# Allegro board balenaFin-PCB.brd (continued)
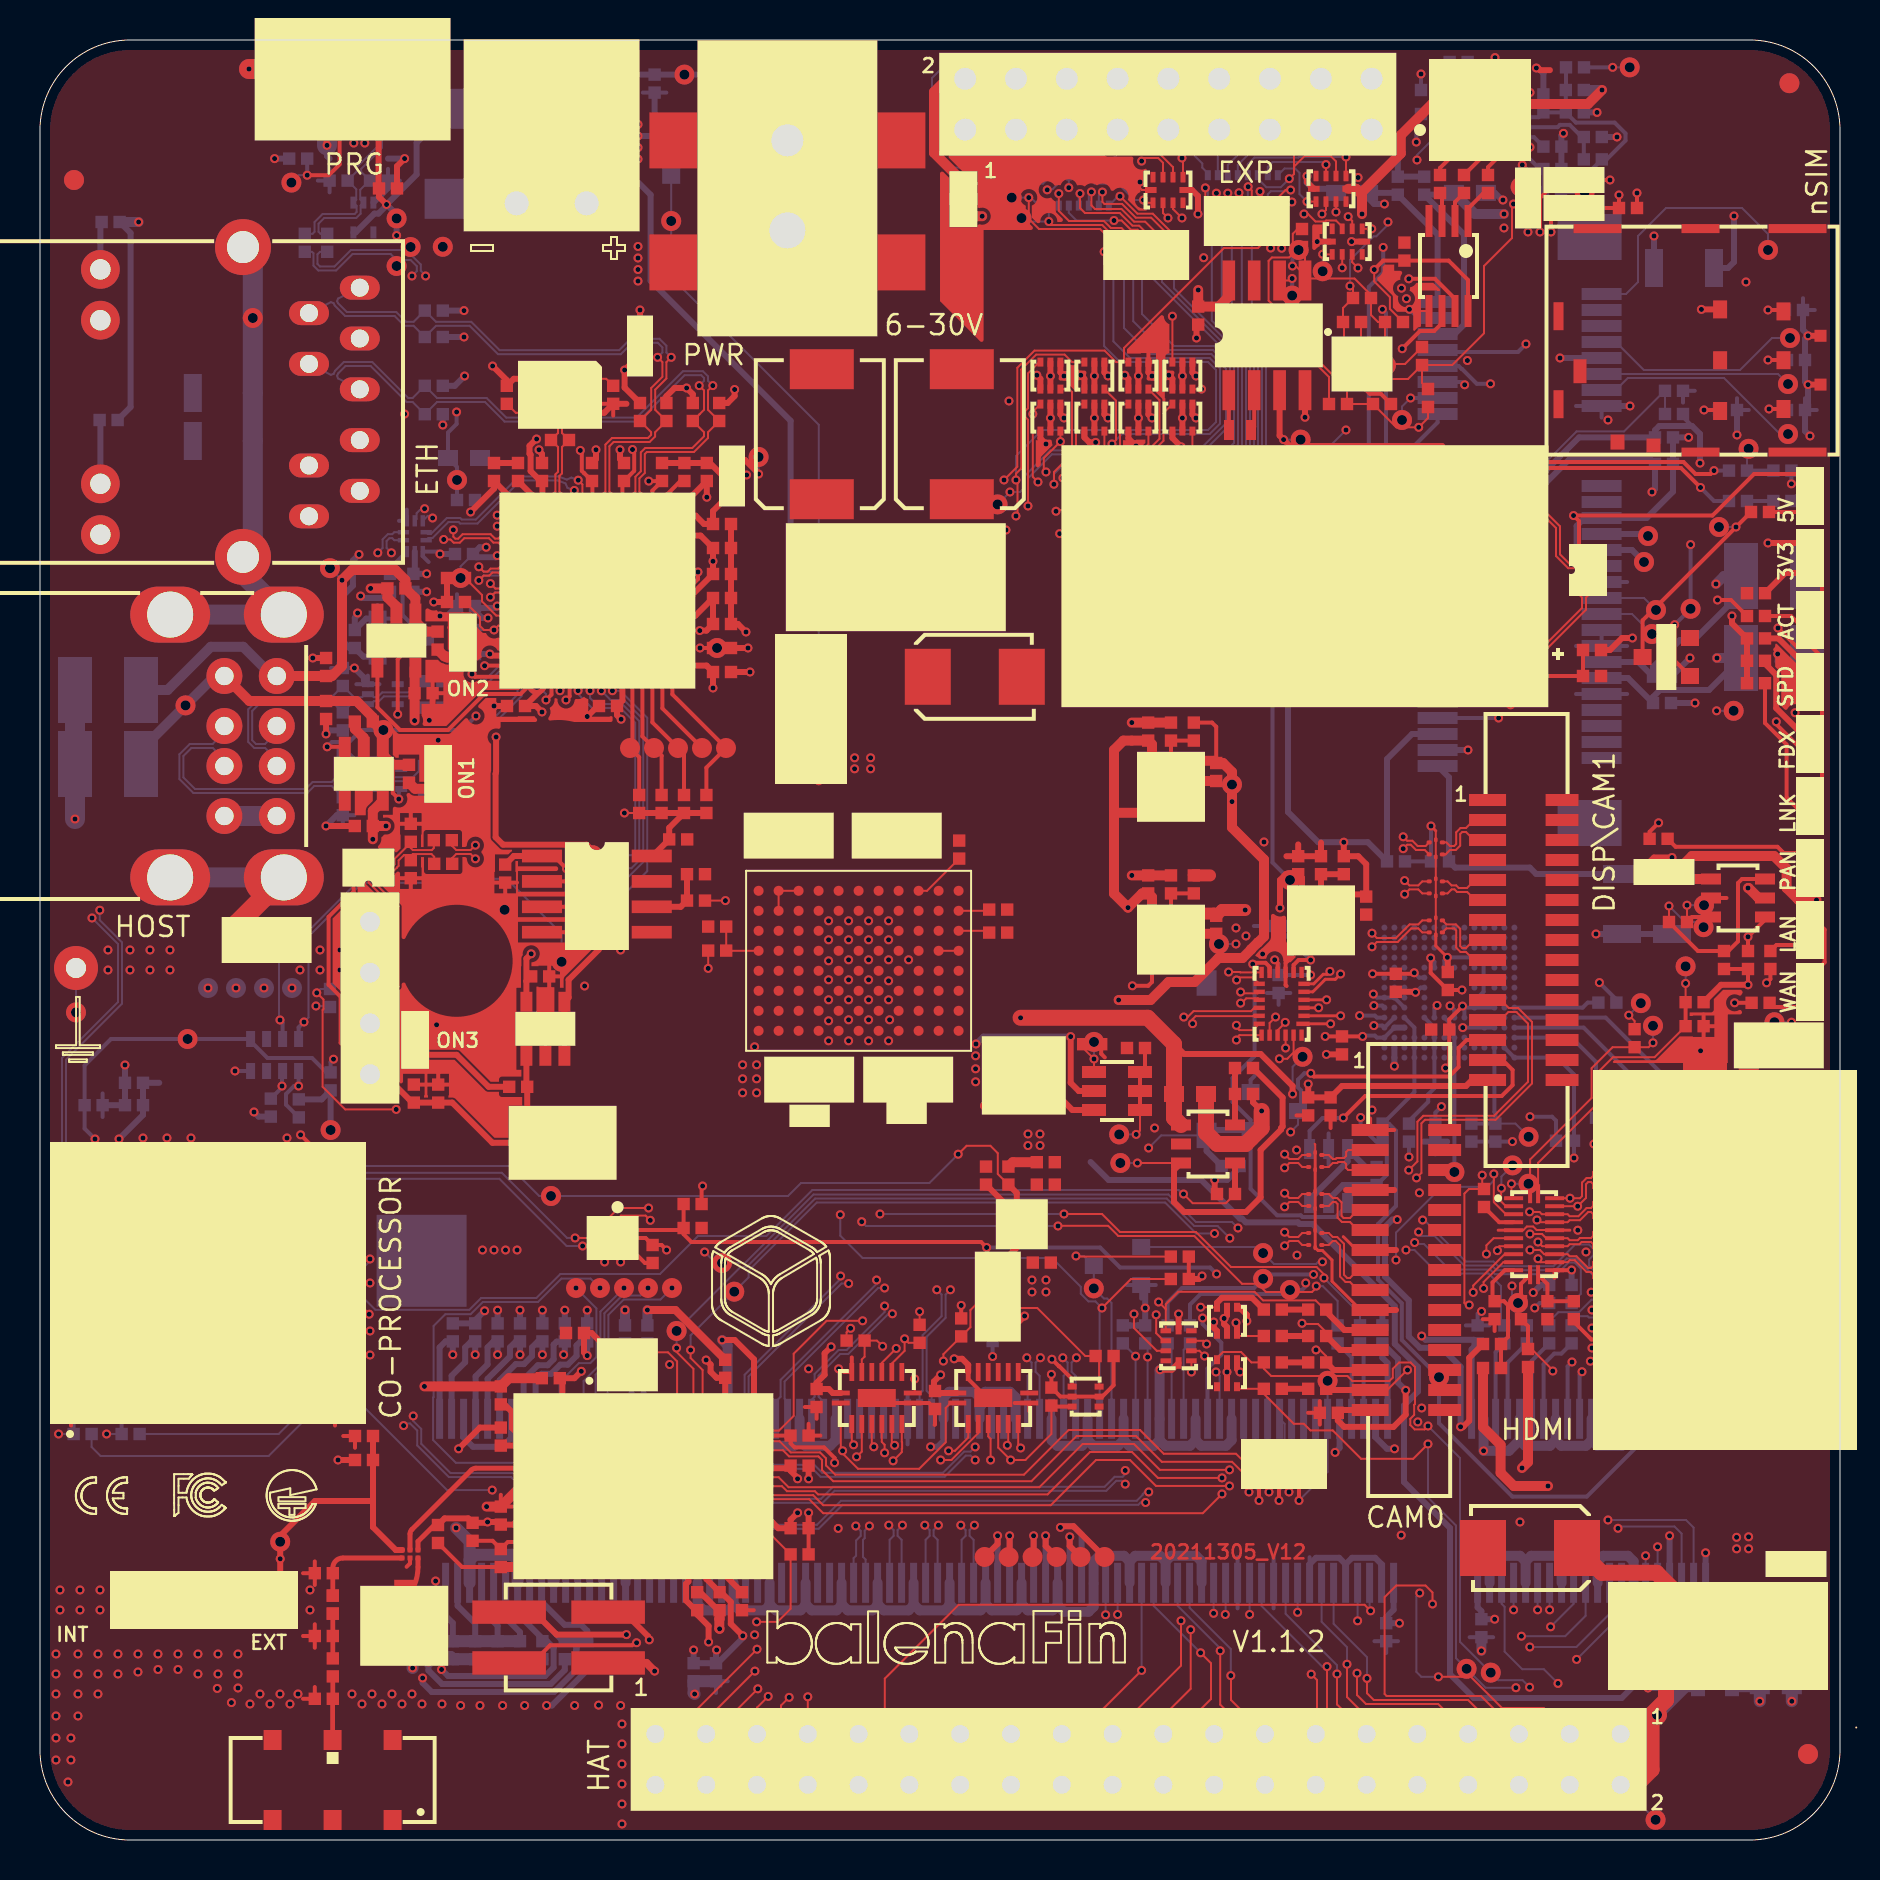
[diagram p0: board, top side]
## Routing (per net, layer and track width the routed paths; a pad name or vN(x,y) marks a point on that pad's centre or on a via; arc(x,y) is an arc through that point) (continued)
  BOTTOM w0.3: Q21.1 58.6,35.5 DSW2.2 58.33,34.45 R317.2
SEL_SWD: length 40
  TOP w0.2: U29.10 32.08,30.5 R298.2 ; v1(47.33,29.62) 47.05,29.9 32.57,29.9 32.18,30.29 R298.2 ; R298.2 R297.1
  INT1 w0.2: v1(58.13,26.1) 58.83,26.8 v1(58.83,28.3)
  BOTTOM w0.2: v1(47.33,29.62) 53,29.62 54,28.62 58.5,28.62 v1(58.83,28.3) ; v1(58.13,26.1) 58.13,25.8 59.06,24.87 59.06,24.27 58.38,23.58 58.38,21.07 J2.72
SPI-MCU_MISO: length 98.5
  TOP w0.1: v1(54.66,79.08) 55.06,78.68 RR13.4 ; DS28.6 51.45,72.55 51.6,72.4 51.6,69.3 50.7,68.4 50.7,67.79 v1(50.69,67.79) ; v1(16.46,26.29) 16.48,26.29 16.12,26.65 MOD2.15
  INT2 w0.1: v1(16.46,26.29) 16.86,26.29 17.5,25.65 30.78,25.65 33.9,28.77 33.9,40.33 32.5,41.73 32.5,50.87 48.71,67.08 49.71,67.08 50.25,67.61 50.52,67.61 v1(50.69,67.79)
  BOTTOM w0.1: v1(50.69,67.79) 50.69,68.29 51.48,69.09 57.83,69.09 59.5,70.75 59.5,73.65 58.65,74.5 56.1,74.5 54.66,75.94 v1(54.66,79.08) ; v2(15.28,26.66) 16.09,26.66 v1(16.46,26.29)
SPI-MCU_MISO_EXT: length 16.8
  TOP w0.1: TVS6.8 56.65,81.55 v1(57.1,81.1)
  INT1 w0.1: v1(51.44,82.62) 51.44,83 51.54,83.1 53.62,83.1 54.38,82.34 54.38,81.93 55.6,80.7 56.7,80.7 v1(57.1,81.1) 57.7,81.7 57.7,86.78 J14.10
  BOTTOM w0.1: RR14.12 v1(51.44,82.62)
SPI-MCU_MOSI: length 101.3
  TOP w0.1: v1(54.2,79.4) 54.2,78.97 54.36,78.81 54.36,78.81 54.56,78.61 RR13.3 ; 50.02,73.9 49.96,73.9 49.4,73.33 49.4,71.59 49.27,71.46 49.27,71.14 49.4,71.01 v1(49.4,66.7) ; MOD2.14 v1(16.5,25.45)
  INT2 w0.1: v1(16.5,25.45) 30.87,25.45 34.1,28.68 34.1,40.42 32.7,41.82 32.7,50.78 48.62,66.7 v1(49.4,66.7)
  BOTTOM w0.1: v1(54.2,79.4) 54.2,75.6 55.5,74.3 58.57,74.3 59.3,73.57 59.3,70.83 57.75,69.28 50.6,69.28 49.4,68.09 v1(49.4,66.7) ; v2(15.28,25.45) v1(16.5,25.45)
SPI-MCU_MOSI_EXT: length 13
  TOP w0.1: v1(55.08,83.94) 55.08,84 55.18,84.1 55.91,84.1 56.15,83.86 TVS6.3
  INT1 w0.1: v1(55.08,83.94) 55.08,86.86 J14.8
  INT2 w0.1: v1(55.08,83.94) 54.92,83.94 54.88,83.9 51.8,83.9 50.41,82.51 v1(50.36,82.51)
  BOTTOM w0.1: RR14.11 50.94,82.85 50.63,82.54 50.39,82.54 v1(50.36,82.51)
SPI-MCU_SCLK: length 94.8
  TOP w0.1: v1(53.6,69.8) 53.8,70 53.8,71.97 DS27.6 ; v1(53.67,79.08) 54.06,78.68 RR13.2 ; MOD2.16 v1(16.5,27.85)
  INT2 w0.1: v1(48.5,67.4) 48.5,67.15 32.3,50.95 32.3,41.65 33.7,40.25 33.7,28.85 32.85,28 26.3,28 26.15,27.85 v1(16.5,27.85)
  BOTTOM w0.1: v1(53.67,79.08) 53.67,74.93 54.5,74.1 58.48,74.1 59,73.58 59,70.82 58.48,70.3 54.1,70.3 v1(53.6,69.8) 53.28,69.48 50.52,69.48 49.17,68.14 49.17,67.58 49,67.4 v1(48.5,67.4) v2(47.88,66.78)
SPI-MCU_SCLK_EXT: length 26.8
  TOP w0.1: J14.6 52.54,86.86 52.54,85.16 53.38,84.32 55.97,84.32 56.65,83.64 TVS6.2
  BOTTOM w0.1: J14.6 50.14,89.26 45.76,89.26 44.6,88.1 44.6,84.32 46.1,82.82 50.15,82.82 50.44,83.11 RR14.10
SPI_MCU_CS-CON: length 104.9
  TOP w0.1: 52.22,73.9 51.61,73.9 51.23,74.27 49.81,74.27 49.06,73.53 49.06,68.58 48.8,68.32 v1(48.8,68) 48.88,67.93 48.88,66.28 v1(48.8,66.2) ; RR13.1 53.5,78.5 53.2,78.8 v1(53.2,79.41) ; MOD2.13 v1(16.5,24.25)
  INT2 w0.1: v1(16.5,24.25) 19.7,24.25 20.7,25.25 30.95,25.25 34.3,28.6 34.3,40.5 32.9,41.9 32.9,50.7 48.4,66.2 v1(48.8,66.2)
  BOTTOM w0.1: v1(48.8,68) 48.8,69.2 50.1,70.5 58.4,70.5 58.8,70.9 58.8,73.5 58.4,73.9 54,73.9 53.2,74.69 v1(53.2,79.41) ; v2(15.28,24.25) v1(16.5,24.25)
SPI_MCU_CS-CON_EXT: length 24.6
  TOP w0.1: TVS6.1 57.15,84.05 v1(57.1,84.1)
  INT1 w0.1: J14.4 50,86.86 50,85.16 51.59,83.57 53.51,83.57 53.51,83.57 56.57,83.57 v1(57.1,84.1)
  BOTTOM w0.1: RR14.9 49.54,83.62 45.58,83.62 44.9,84.3 44.9,86.6 45.16,86.86 47.6,86.86 J14.4
SW_I2C_SCL_ON: length 172.5
  TOP w0.1: R287.2 69.4,71.1 v1(68.94,70.63) 67.81,70.63 R288.1 R284.1 65.35,72.9 Q18.3 64.83,73.05 62.88,75 62.88,76.32 61.98,77.22 U23.6 62.51,77.98 v1(62.61,78.08) ; MOD2.19 v1(13.3,31.45)
  TOP w0.2: U30.6 70.1,75.84 69.71,75.45 69,75.45 v1(68.11,74.56)
  INT1 w0.1: v1(2.99,46.49) 2.74,46.49 0.8,48.43 0.8,69.49 5.71,74.4 8.73,74.4 15.29,80.96 18.34,80.96 24.88,87.5 38.5,87.5 44.1,81.9 48.3,81.9 48.8,81.4 53.9,81.4 55.3,80 58.4,80 60.4,78 62.53,78 v1(62.61,78.08)
  INT2 w0.2: v1(68.94,70.63) 67.83,71.74 67.83,74.28 v1(68.11,74.56)
  BOTTOM w0.1: R315.1 2.58,19.65 3.03,19.2 11.43,19.2 14.33,22.1 14.33,30.42 v1(13.3,31.45) 13.3,31.05 13.2,30.95 6.53,30.95 4.38,33.1 2.18,33.1 1.3,33.98 1.3,39.02 4.1,41.82 4.1,44.88 2.99,45.99 v1(2.99,46.49)
  BOTTOM w0.2: v1(62.61,78.08) v2(62.61,77.22)
SW_I2C_SCL_ON_OFF: length 126.5
  TOP w0.1: R287.1 69.1,72.85 R282.2 ; R282.2 68.4,73.05 Q18.4 ; R282.2 70.61,73.75 72.2,75.34 72.2,78.7 73.6,80.1 73.6,81.7 73.67,81.78 v1(73.67,81.8)
  INT1 w0.1: v1(63.29,27.85) 63.29,28.89 64.1,29.7 64.1,34.43 61.83,36.7 61.83,37.8 63.36,39.33 63.36,42.11 63.95,42.7 65.35,42.7 65.55,42.9 68.9,42.9 69.2,43.2 71.7,43.2 74.46,40.45 77.98,40.45 80.33,38.1 v1(88.8,38.1)
  INT2 w0.1: 74.2,82.8 73.5,83.5 73.5,87.29 v1(73.91,87.7) ; 74.2,82.8 77.6,79.4 77.6,76.35 82.1,71.85 82.1,71.1 84.1,69.1 87.7,69.1 89.2,67.6 89.2,38.5 v1(88.8,38.1) ; 74.2,82.8 74.2,82.32 v1(73.67,81.8)
  BOTTOM w0.2: v1(63.29,27.85) 63.3,27.84 63.3,27.7 63.1,27.5 v2(62.5,27.5) 62.3,27.3 58.03,27.3 57.5,26.77 R17.2 ; v1(73.91,87.7) 73.9,87.7 73.59,87.39 U25.12
SW_I2C_SDA_ON: length 166.1
  TOP w0.1: 63.25,78.24 63.25,79.5 R285.2 ; 63.25,78.24 U23.5 63.35,78.08 65.72,78.08 66.55,77.25 R286.1 66.55,76.25 66.9,75.9 R289.2 67.25,74.8 Q18.6 ; 63.25,78.24 62.79,78.7 v1(62.62,78.7) ; MOD2.18 v1(13.3,30.25)
  TOP w0.2: v1(68.44,78.06) 69.75,78.06 70.75,77.06 U30.7
  INT1 w0.1: v1(62.62,78.7) 62.12,78.2 60.48,78.2 58.48,80.2 55.38,80.2 53.98,81.6 48.88,81.6 48.38,82.1 44.18,82.1 38.58,87.7 24.8,87.7 18.26,81.16 15.21,81.16 8.65,74.6 5.63,74.6 0.6,69.57 0.6,48.35 2.6,46.35 v1(2.6,46.1)
  INT1 w0.2: v1(68.44,78.06) 66.74,78.06 65.9,77.22 64.1,77.22 v1(62.62,78.7)
  BOTTOM w0.1: v1(2.6,46.1) 3.9,44.8 3.9,41.9 1.1,39.1 1.1,33.9 2.1,32.9 4.3,32.9 6.45,30.75 13.2,30.75 13.3,30.65 v1(13.3,30.25) 14.03,29.52 14.03,22.4 11.93,20.3 R314.2
  BOTTOM w0.2: v2(62.93,79.5) 62.62,79.19 v1(62.62,78.7)
SW_I2C_SDA_ON_OFF: length 129.4
  TOP w0.1: v1(65.5,77.7) 65.65,77.55 R286.2 65.15,76.6 R283.1 65.2,75.85 Q18.1
  INT1 w0.1: v1(67.4,80.9) 73.83,87.32 74.07,87.32 74.12,87.38 v1(74.5,87.38) ; v1(63.68,28.28) 63.68,28.99 64.3,29.62 64.3,34.51 62.03,36.78 62.03,37.72 63.56,39.24 63.56,42.03 64.03,42.5 65.43,42.5 65.63,42.7 67.93,42.7 70.39,40.25 77.9,40.25 80.24,37.9 88.4,37.9 88.59,37.71 v1(89.19,37.71)
  INT2 w0.1: v1(89.19,37.71) 89.4,37.92 89.4,67.68 87.78,69.3 84.18,69.3 82.3,71.18 82.3,71.94 77.8,76.44 77.8,79.5 73.7,83.6 73.7,86.57 v1(74.5,87.38)
  BOTTOM w0.1: v1(67.4,80.9) 67.4,80.77 66.82,80.19 66.69,80.19 65.5,79 v1(65.5,77.7)
  BOTTOM w0.2: v1(63.68,28.28) 61.38,28.28 v2(61.16,28.06) 60.7,27.6 57.1,27.6 56.38,26.88 R19.2 ; U25.13 74.16,87.03 v1(74.5,87.38)
SWCLK_MCU: length 55.4
  TOP w0.2: v1(13.03,35.26) 13.55,34.74 MOD2.21 ; U29.7 28.83,29.1 v1(29.03,28.9)
  INT2 w0.2: v1(29.03,28.9) 28.61,29.33 27.95,29.33 27.23,28.6 13.15,28.6 11.98,29.78 11.98,33.25 13.03,34.3 v1(13.03,35.26) 11.68,36.62 11.68,40.67 v1(12,41)
  BOTTOM w0.1: v2(26.08,43.91) 26.08,45.31 23.33,48.06 16.03,48.06 11.95,43.98 11.95,41.05 v1(12,41)
  BOTTOM w0.2: RR4.7 12.13,40.87 v1(12,41)
SWDIO_MCU: length 50.8
  TOP w0.2: v1(28.23,28.9) 28.43,29.1 U29.6 ; MOD2.22 v1(12.35,35.1)
  INT2 w0.2: v1(13.2,40.9) 12.68,41.42 11.82,41.42 11.38,40.98 11.38,35.93 12.2,35.1 v1(12.35,35.1) 11.68,34.42 11.68,29.66 13.03,28.3 27.63,28.3 v1(28.23,28.9)
  BOTTOM w0.1: v1(13.2,40.9) 13.43,41.12 13.43,45.17 16.11,47.86 21.88,47.86 v2(23.23,46.51)
  BOTTOM w0.2: RR4.8 12.93,40.63 v1(13.2,40.9)
TR00: length 103.6
  TOP w0.2: J24.2 24.62,8.85 25.51,9.74 29.6,9.74 29.73,9.86 v1(29.83,9.86)
  INT4 w0.2: 38.43,70.9 31.12,70.9 30.41,71.6 26.14,71.6 25.67,72.08 23.9,72.08 20.55,68.72 18.51,68.72 17.24,70 J20.7 ; v1(29.83,9.86) 29.86,9.83 29.86,9.76 30.22,9.41 30.71,9.41 31.06,9.76 31.06,10.89 31.16,10.99
  INT4 w0.4: 38.43,70.9 40.13,69.2 40.13,59.1 32.03,51 32.03,37.76 37.83,31.96 37.83,25.4 36.7,24.27 36.7,19.58 36.16,19.03 36.16,15.99 31.16,10.99
TR01: length 101.2
  TOP w0.4: v1(30.73,8.44) 30.32,8.85 J24.1
  INT3 w0.2: v1(30.73,8.44) 31.03,8.74 31.03,10.29 31.09,10.35 ; 38.43,70.9 31.12,70.9 30.41,71.6 26.14,71.6 25.67,72.08 23.9,72.08 20.55,68.72 J20.8
  INT3 w0.4: 38.43,70.9 40.13,69.2 40.13,59.1 32.03,51 32.03,37.76 37.83,31.96 37.83,25.4 36.7,24.27 36.7,19.58 36.16,19.03 36.16,15.99 31.09,10.92 31.09,10.35
TR02: length 99.6
  TOP w0.3: J24.4 24.71,11.39 25.83,10.27 v1(29.32,10.27)
  INT3 w0.2: J20.9 16.29,67.45 17.16,68.33 20.81,68.33 24.16,71.68 25.5,71.68 26.03,71.15 30.3,71.15 31.09,70.36 37.93,70.36
  INT3 w0.4: 37.93,70.36 39.43,68.86 39.43,59.5 31.03,51.1 31.03,37.6 35.93,32.7 35.93,20.7 35.33,20.1 35.33,16.09 29.73,10.49 29.57,10.49 29.35,10.27 v1(29.32,10.27)
TR03: length 98.7
  TOP w0.3: v1(30.46,10.01) 30.41,10.07 30.41,10.19 29.2,11.39 J24.3
  INT4 w0.2: J20.10 15.53,66.18 16.55,66.18 18.56,68.19 18.56,68.19 18.7,68.33 20.81,68.33 24.16,71.68 25.5,71.68 25.74,71.44 26.03,71.15 30.3,71.15 31.09,70.36 37.93,70.36
  INT4 w0.4: 37.93,70.36 39.43,68.86 39.43,59.5 31.03,51.1 31.03,37.6 35.93,32.7 35.93,20.7 35.33,20.1 35.33,16.09 30.46,11.22 v1(30.46,10.01)
USB_DBG_D+: length 21.1
  INT2 w0.1: v1(19.28,78.2) 19.03,77.95 19.03,77.38 19.54,76.87 19.54,68.19 19.83,67.9 19.83,66.62 19.63,66.42 v1(19.63,66.1)
  BOTTOM w0.1: R115.1 14,79.41 13.87,79.28 13.87,78.8 14,78.68 14.72,78.68 15.55,79.5 18.38,79.5 v2(18.53,79.65) 18.53,79.28 19.04,78.77 19.04,78.46 19.28,78.22 v1(19.28,78.2) ; v1(19.63,66.1) 19.53,66.2 19.39,66.2 U13.5
USB_DBG_D-: length 21.3
  INT2 w0.1: v1(19.23,66.56) 19.5,66.56 19.63,66.7 19.63,67.82 19.34,68.11 19.34,76.79 18.83,77.3 18.83,77.97 v1(18.6,78.2)
  BOTTOM w0.1: v1(18.6,78.2) 18.84,78.44 18.84,78.69 18.53,79 18.13,79 v2(17.83,78.7) 17.83,79 17.53,79.3 15.63,79.3 14.81,78.48 13.92,78.48 13.67,78.72 13.67,79.34 13.6,79.41 R114.1 ; U13.4 18.83,66.05 18.83,66.34 18.99,66.5 19.16,66.5 v1(19.23,66.56)
USB_DM: length 67.3
  INT1 w0.1: v1(18.18,20.72) 18.18,20.91 13.83,25.26 13.83,39.66 14.38,40.2 14.38,44.69 14.83,45.14 14.83,51.8 16.7,53.67 16.7,58.38 17.13,58.81 17.13,64.12 v1(16.89,64.36)
  BOTTOM w0.1: J2.167 29.88,14.95 30.1,15.17 30.1,17.39 29.9,17.59 24.12,17.59 23.56,18.15 20.44,18.15 18.86,19.73 18.86,20.47 18.51,20.83 18.29,20.83 v1(18.18,20.72) ; U13.2 17.71,65.39 17.61,65.29 17.39,65.29 17.13,65.03 17.13,64.6 v1(16.89,64.36)
USB_DP: length 66.9
  INT1 w0.1: v1(18.66,21.2) 18.17,21.2 14.03,25.34 14.03,39.58 14.58,40.12 14.58,44.61 15.03,45.06 15.03,51.72 16.9,53.59 16.9,58.3 17.33,58.73 17.33,64.12 v1(17.57,64.36)
  BOTTOM w0.1: U13.1 17.71,64.99 17.61,65.09 17.47,65.09 17.33,64.95 17.33,64.6 v1(17.57,64.36) ; J2.165 30.48,15.01 30.3,15.19 30.3,17.47 29.99,17.79 24.21,17.79 23.64,18.35 20.53,18.35 19.06,19.81 19.06,20.55 18.66,20.95 v1(18.66,21.2)
USB_HOST1_CTRL: length 16.4
  TOP w0.2: v1(21.6,58.3) 21.74,58.16 U22.17 ; v1(14.36,54.66) U10.3
  TOP w0.5: U10.3 U10.4
  INT2 w0.2: v1(21.8,56.2) 21.8,58.1 v1(21.6,58.3)
  BOTTOM w0.2: v1(14.36,54.66) 14.6,54.9 15.46,54.9 16.06,55.5 v2(17.17,55.5) 21.1,55.5 v1(21.8,56.2)
USB_HOST1_D+: length 16.4
  TOP w0.1: v1(21.94,62.98) 22.18,63.22 22.47,63.22 22.62,63.37 22.92,63.37 23.07,63.22 U22.7
  BOTTOM w0.1: R91.1 20.66,53.14 21.68,53.14 22.03,53.49 22.03,55.43 23.88,57.27 23.88,62.74 23.4,63.22 22.18,63.22 v1(21.94,62.98)
USB_HOST1_D-: length 17.1
  TOP w0.1: U22.6 23.07,63.72 22.92,63.57 22.53,63.57 22.38,63.42 22.18,63.42 v1(21.94,63.66)
  BOTTOM w0.1: v1(21.94,63.66) 22.18,63.42 23.48,63.42 24.07,62.83 24.07,57.19 22.23,55.35 22.23,53.41 21.76,52.94 20.66,52.94 R92.1
USB_HOST2_CTRL: length 14.2
  TOP w0.2: U12.4 16.87,56.63 18,55.5 20.4,55.5 22.2,57.3 24.03,57.3 24.62,57.89 U22.18
  TOP w0.5: U12.3 U12.4
USB_HOST2_D+: length 9.4
  TOP w0.1: U22.9 23.36,62.22 23.21,62.37 22.75,62.37 v1(22.52,62.14)
  BOTTOM w0.1: R109.1 20.68,57.38 21.63,57.38 23.26,59.01 23.26,62.24 23.12,62.38 22.76,62.38 v1(22.52,62.14)
USB_HOST2_D-: length 10
  TOP w0.1: U22.8 23.36,62.72 23.21,62.57 22.77,62.57 v1(22.52,62.82)
  BOTTOM w0.1: v1(22.52,62.82) 22.76,62.58 23.2,62.58 23.46,62.32 23.46,58.93 21.71,57.18 20.68,57.18 R108.1
USB_HOST_INT_CTRL: length 26.4
  TOP w0.2: v1(22.23,58.71) 22.24,58.72 U22.16
  TOP w0.3: v1(22.8,55.15) 22.8,53.44 22.78,53.31 22.78,50.14 23.15,49.77 27.33,49.77 27.93,49.17 27.93,44.51 26.43,43.01 26.43,42.12 U28.4 U28.3
  INT1 w0.2: v1(22.8,55.15) 22.8,55.33 22.23,55.9 v1(22.23,58.71)
USB_HUB_D+: length 9.6
  TOP w0.1: U22.59 26.62,67.21 26.72,67.31 v1(26.72,67.48)
  BOTTOM w0.1: v1(26.72,67.48) 26.37,67.61 26.27,67.83 25.89,67.98 24.03,67.98 21.88,65.83 21,65.83 20.93,65.9 20.42,65.9 19.62,65.1 19.42,65.1 U13.7
USB_HUB_D-: length 10.3
  TOP w0.1: v1(26.91,67.99) 26.91,67.99 27.12,67.78 U22.58
  BOTTOM w0.1: U13.6 19.4,65.3 19.54,65.3 20.34,66.1 21.01,66.1 21.09,66.03 21.79,66.03 23.94,68.18 25.93,68.18 26.34,68.02 26.57,68.12 v1(26.91,67.99)
USB_INT+: length 22.8
  TOP w0.1: v1(21.77,49.74) 21.53,49.5 20.81,49.5 20.59,49.72 R296.1 ; U22.4 23.07,64.72 22.92,64.87 22.67,64.87 22.45,65.09 21.21,65.09 20.99,64.87 20.68,64.87 20.52,65.03 v1(20.18,65.03)
  INT1 w0.1: v1(21.77,49.74) 22.01,49.5 22.39,49.5 22.53,49.64 22.53,50.88 20.7,52.71 20.7,64.85 20.52,65.03 v1(20.18,65.03)
USB_INT-: length 23.1
  TOP w0.1: R295.1 20.61,49.1 20.81,49.3 21.53,49.3 v1(21.77,49.06) ; v1(20.67,65.51) 20.67,65.17 20.77,65.07 20.91,65.07 21.13,65.29 22.53,65.29 22.75,65.07 22.92,65.07 23.07,65.22 U22.3
  INT1 w0.1: v1(20.67,65.51) 20.67,65.17 20.9,64.93 20.9,52.79 22.73,50.96 22.73,49.56 22.47,49.3 22.01,49.3 v1(21.77,49.06)
USB_MPCIE_D+: length 76.8
  TOP w0.1: U22.2 22.89,65.72 v1(22.86,65.69) ; v1(67.85,59.36) 68.09,59.6 75.38,59.6 77.3,61.52 77.3,62.12 77.45,62.27 TVS17.2 77.45,63.23 77.3,63.38 77.3,63.6 77.11,63.79 76.49,63.79 76,64.28 76,65.68 74.1,67.58 72.75,67.58 v1(72.51,67.82)
  INT1 w0.1: v1(72.51,67.82) 72.27,67.58 70.61,67.58 68.99,69.2 47,69.2 46.68,68.88 24.13,68.88 22.03,66.78 22.03,66.23 22.32,65.94 22.32,65.86 22.5,65.69 v1(22.86,65.69)
  BOTTOM w0.1: v1(67.85,59.36) 68.09,59.6 68.88,59.6 69.18,59.3 J19.38
USB_MPCIE_D-: length 75.3
  TOP w0.1: v1(72.51,67.14) 72.75,67.38 74.02,67.38 75.8,65.6 75.8,64.2 76.41,63.59 77.03,63.59 77.1,63.52 77.1,63.38 76.95,63.23 TVS17.1 76.95,62.27 77.1,62.12 77.1,61.6 75.3,59.8 68.09,59.8 v1(67.85,60.04) ; v1(22.86,66.24) 22.88,66.22 U22.1
  INT1 w0.1: v1(22.86,66.24) 22.49,66.24 22.47,66.22 22.33,66.22 22.23,66.32 22.23,66.7 24.21,68.68 46.76,68.68 47.08,69 68.91,69 70.53,67.38 72.27,67.38 v1(72.51,67.14)
  BOTTOM w0.1: J19.36 69.18,60.1 68.88,59.8 68.09,59.8 v1(67.85,60.04)
W-DISABLE_MPCIE: length 1.3
  BOTTOM w0.2: U25.7 70.11,86.14 R249.2
WIFI_BLE_PDN: length 146.5
  TOP w0.1: MOD1.C8 33.77,15.44 36.37,15.44 R218.2 37.53,11.56 36.88,10.91 v1(35.83,10.91)
  INT1 w0.1: v1(48.3,65.5) 49.1,64.7 56.8,64.7 58,65.9 61.5,65.9 v1(63.3,67.7) ; v1(19.78,12.95) 19.78,15.11 22.17,17.5 v1(22.61,17.5)
  INT2 w0.1: v1(12.5,31.9) 12.5,32.87 14.3,34.67 14.3,41.2 v1(13.8,41.7) ; v1(48.3,65.5) 35.53,52.73 35.53,48.43 35.7,48.26 35.7,47.94 35.53,47.77 35.53,41.73 34.58,40.78 34.58,30.66 34.7,30.54 34.7,28.12 29.68,23.1 27.45,23.1 25.05,20.7 25.05,18.92 23.63,17.5 v1(22.61,17.5)
  INT2 w0.2: v1(35.83,10.91) 35.58,10.91 34.12,12.37 20.36,12.37 v1(19.78,12.95)
  BOTTOM w0.1: v1(22.61,17.5) 20.35,17.5 14.63,23.22 14.63,31.96 14.18,32.41 v2(13.23,32.41) 13.01,32.41 v1(12.5,31.9) ; v1(63.3,67.7) 63.3,68.5 v1(65.3,70.5) ; v1(13.8,41.7) 14.45,41.7 R293.2
WIFI_SDIO_CLK: length 39.6
  TOP w0.1: v1(59.1,18.1) 55.9,18.1 54.6,19.4 52.5,19.4 50.38,17.28 38.9,17.28 38.74,17.44 37.35,17.44 37.1,17.69 MOD1.A5
  TOP w0.2: RR15.6 v1(62.95,16.98)
  INT1 w0.1: v1(59.1,18.1) 59.1,18.66 59.76,19.32 61.87,19.32 62.95,18.24 v1(62.95,16.98)
  BOTTOM w0.1: v1(62.95,16.98) 64.38,18.41 J2.52 v2(64.38,22.96)
WIFI_SDIO_CMD: length 35.4
  TOP w0.1: v1(59.47,18.51) 55.99,18.51 54.7,19.8 52.13,19.8 49.97,17.64 37.43,17.64 36.93,18.14 34.67,18.14 MOD1.B4
  TOP w0.2: RR15.5 v1(62.45,17.4)
  INT1 w0.1: v1(59.47,18.51) 61.34,18.51 v1(62.45,17.4)
  BOTTOM w0.1: v1(62.45,17.4) 63.78,18.73 J2.54
WIFI_SDIO_D0: length 35.9
  TOP w0.1: MOD1.B6 34.33,16.9 34.59,16.9 34.93,17.24 38.66,17.24 39.16,16.74 50.54,16.74 52.8,19 54.5,19 55.8,17.7 v1(59.47,17.7)
  TOP w0.2: RR15.4 v1(61.95,16.98)
  INT1 w0.1: v1(61.95,16.98) 61.95,17.43 61.31,18.07 59.84,18.07 v1(59.47,17.7)
  BOTTOM w0.1: v1(61.95,16.98) 61.95,17.45 62.58,18.08 J2.58
WIFI_SDIO_D1: length 32.3
  TOP w0.1: v1(59.1,17.3) 58.14,16.34 39.16,16.34 38.46,17.04 35.37,17.04 MOD1.A6
  TOP w0.2: RR15.3 v1(61.45,17.4)
  INT1 w0.1: v1(59.1,17.3) 59.6,17.3 60.16,17.86 60.99,17.86 v1(61.45,17.4)
  BOTTOM w0.1: J2.60 62.23,20.81 62.23,18.18 v1(61.45,17.4)
WIFI_SDIO_D2: length 35.1
  TOP w0.1: MOD1.B3 34.67,19.94 36.98,19.94 37.54,19.38 39,19.38 39.3,19.08 39.3,18.73 39.77,18.27 49.2,18.27 51.43,20.5 55,20.5 56.19,19.31 59.8,19.31 60.95,18.16 RR15.2
  TOP w0.2: v1(60.95,16.98) RR15.2
  BOTTOM w0.1: J2.64 60.78,17.6 60.95,17.43 v1(60.95,16.98)
WIFI_SDIO_D3: length 32.6
  TOP w0.1: RR15.1 60.45,18.06 59.6,18.91 56.09,18.91 54.8,20.2 51.83,20.2 49.57,17.94 39.66,17.94 39.1,18.5 39.1,19 38.92,19.18 37.45,19.18 37.14,19.49 MOD1.A3
  TOP w0.2: v1(60.45,17.4) RR15.1
  BOTTOM w0.1: v1(60.45,17.4) 60.5,17.45 60.5,19.63 60.18,19.95 J2.66
N16818805: length 2.1
  TOP w0.2: U2.5 R37.2 R35.1
N16819336: length 2.2
  TOP w0.2: U5.5 R46.2 R42.1
N16826548: length 18
  TOP w1: J13.6 19.43,86.75 J13.10 J13.8 J13.9 J13.11 ; J13.11 11.83,86.75 J13.7 ; J13.11 v1(10.45,88.55)
  BOTTOM w1: v1(10.45,88.55) 11.06,88.55 C89.2 R117.2
N16879463: length 15.6
  TOP w0.1: C3.1 80.73,39.14 78.65,39.14 77.98,38.47 77.98,36.93 74.91,33.86 U1.23 ; R2.1 v1(82.28,42.83)
  TOP w0.2: C3.1 R2.1
  BOTTOM w0.1: v1(82.28,42.83) v2(82.28,43.68)
N16879564: length 12
  TOP w0.1: v1(80.65,39.86) 80.43,39.64 R6.2 78.63,39.64 77.58,38.59 77.58,37.1 74.5,34.03 U1.24
  BOTTOM w0.1: v1(80.65,39.86) v2(80.65,40.71)
N16879671: length 3.2
  TOP w0.2: L1.2 76.69,25.91 77.57,25.03 79.31,25.03 J1.18
N16879685: length 1.8
  TOP w0.2: R13.2 72.96,30.89 U1.4
N16879735: length 6.3
  TOP w0.2: U1.10 73.24,28.49 72.62,27.88 72.62,27.05 C9.1 73.2,26.94 73.4,26.74 73.4,25.15 R243.2 R244.2
N16879749: length 32.5
  TOP w1: J1.22 87.05,35.88 87.05,22.12 J1.21 J1.24 ; J1.22 85.44,37.48 C8.2 ; J1.22 v1(83.64,36.88) J1.23
  BOTTOM w0.1: v1(83.64,36.88) v2(83.64,37.73)
N16879759: length 1.5
  TOP w0.2: U1.11 74.05,27.81 R16.2
N16879761: length 2.8
  TOP w0.2: L1.1 C10.1 75.37,27.8 U1.12
N16882551: length 14
  TOP w0.1: R21.1 51.83,29.17 v1(51.8,29.2)
  BOTTOM w0.1: v1(51.8,29.2) 52.19,29.2 Q1.3 v2(52.69,27.58) 53.2,27.08 53.36,27.08 53.58,26.86 53.58,22.07 53.58,22.06 J2.88
N16891942: length 5.6
  BOTTOM w0.2: Q6.3 18.13,61.24 18.13,63.11 17.93,63.31 R113.2 17.5,63.58 U13.10
N16969912: length 8
  INT1 w0.2: v1(12.6,42.6) 12.6,38.03 v1(12.93,37.7)
  BOTTOM w0.2: R128.1 12.94,36.13 12.3,36.77 12.3,37.3 12.7,37.7 v1(12.93,37.7) RR4.1
N16969957: length 6.9
  INT1 w0.2: v1(11.2,42.6) 11.2,38.6 v1(12.1,37.7)
  BOTTOM w0.2: RR4.2 12.1,38.42 v1(12.1,37.7) 12.1,37.63 R132.1
N16969979: length 5
  INT1 w0.2: v1(9.8,42.6) 9.8,38.5 v1(9.75,38.45)
  BOTTOM w0.2: RR4.4 v1(9.75,38.45)
N17037416: length 3.9
  BOTTOM w0.3: R29.1 29.58,24.5 J2.168
N17062592: length 1.4
  TOP w0.1: RR3.13 60.09,82.22 v1(59.95,82.36)
  BOTTOM w0.1: RR2.5 59.89,82.29 59.95,82.35 v1(59.95,82.36)
N17062595: length 1.3
  TOP w0.1: RR3.14 59.59,82.11 59.39,82.31 v1(59.39,82.34)
  BOTTOM w0.1: v1(59.39,82.34) RR2.6
N17062598: length 1.4
  TOP w0.1: v1(58.82,82.34) 58.82,82.32 59.09,82.05 RR3.15
  BOTTOM w0.1: v1(58.82,82.34) 58.82,82.32 58.89,82.25 RR2.7
N17062601: length 2
  TOP w0.1: RR3.16 58.27,82.02 v1(58.27,82.61)
  BOTTOM w0.1: v1(58.27,82.61) 58.39,82.48 RR2.8
N17069111: length 32.4
  BOTTOM w0.3: DS33.1 23.83,85.36 27.43,85.36 30.53,82.26 30.53,77.96 37.53,70.96 v1(37.53,65.46)
N17119064: length 2.1
  TOP w0.3: R49.1 R52.2 U6.5
N17122549: length 22.1
  TOP w0.2: v1(83.03,67.62) 82.05,68.6 71.75,68.6 71.55,68.4 71.55,62.93 71.8,62.68 71.8,62.12 v1(71.37,61.7)
  BOTTOM w0.2: v1(83.03,67.62) 83.7,66.95 R144.1 ; J19.32 v1(71.37,61.7)
N17122560: length 21.2
  TOP w0.2: v1(71.37,62.5) 71.25,62.62 71.25,68.52 71.62,68.9 82.17,68.9 82.77,68.3 83.53,68.3 v1(83.7,68.47)
  BOTTOM w0.2: R142.1 v1(83.7,68.47) ; J19.30 v1(71.37,62.5)
N17123208: length 15.8
  TOP w0.2: R187.1 v1(74.4,80.4)
  INT1 w0.2: v1(68.53,72.1) 69.93,73.5 71.57,73.5 71.92,73.85 71.92,78.84 73.08,80 74,80 v1(74.4,80.4)
  BOTTOM w0.1: v1(68.53,72.1) 68.1,71.67 v2(68.1,71)
  BOTTOM w0.2: J19.14 v1(68.53,72.1)
N17123211: length 14.4
  TOP w0.2: v1(75,80.4) 75,82.1 R186.1
  INT1 w0.2: v1(75,80.4) 75,80.4 74.3,79.7 73.2,79.7 72.28,78.78 72.28,73.51 71.53,72.76 v1(71.23,72.76)
  BOTTOM w0.2: v1(71.23,72.76) 71.09,72.9 J19.12
N17123214: length 13.8
  TOP w0.2: R185.1 75.55,81.25 v1(75.55,80.4)
  INT1 w0.2: v1(72.53,72.81) 72.58,72.87 72.58,73.3 73.3,74.02 73.3,74.83 76.3,77.83 76.3,79.65 v1(75.55,80.4)
  BOTTOM w0.2: v1(72.53,72.81) 71.84,72.81 71.1,73.55 71.08,73.55 70.93,73.7 J19.10
N17123217: length 25.9
  TOP w0.2: R188.2 v1(79.85,82.35) ; 87.17,76.43 87.11,76.5 v1(86.4,76.5)
  INT1 w0.2: v1(86.4,76.5) 85.7,76.5 v1(79.85,82.35) 79.85,80.75 74.3,75.2 v1(74.3,74.8)
  BOTTOM w0.2: J19.8 69.98,74.4 73.9,74.4 v1(74.3,74.8) ; C153.1 v1(86.4,76.5)
N17128944: length 2.4
  BOTTOM w0.1: R142.2 85.35,69.48 v2(85.43,69.56)
  BOTTOM w0.2: R143.1 R142.2
N17129002: length 1.3
  BOTTOM w0.2: R145.1 R144.2
N17130185: length 46.8
  TOP w0.2: v1(66.1,68.4) 66.1,68.08 v1(68.47,65.7) 66.9,64.12 66.9,59 68,57.9 72.4,57.9 72.7,58.2 C211.1 R248.1
  INT2 w0.2: v1(67.12,76.53) 67.12,78.33 67.14,78.35 67.14,78.63 69.28,80.77 69.28,88.07 v1(69.05,88.3)
  BOTTOM w0.2: R250.1 v1(69.05,88.3) ; v1(66.1,68.4) 67.3,69.6 v2(67.3,73.74) 67.3,76.36 v1(67.12,76.53) ; J19.22 v1(68.47,65.7)
N17130223: length 10.7
  BOTTOM w0.1: v2(87.5,75.1) 86.6,75.1 85,73.5 80.19,73.5 78.79,74.9 J19.7
N17130226: length 9.5
  BOTTOM w0.1: v2(87.4,72.8) 86.9,73.3 J19.11
N17130229: length 10.7
  BOTTOM w0.1: J19.13 78.79,72.5 79.39,73.1 84.2,73.1 87,70.3 v2(87.4,70.3)
N17130232: length 2.4
  BOTTOM w0.3: v2(80.4,65.2) 80.3,65.3 J19.23
N17130235: length 2.4
  BOTTOM w0.3: v2(80.2,63.9) 79.6,64.5 J19.25
N17130238: length 3
  BOTTOM w0.1: v2(80.8,61.5) 80.2,62.1 J19.31
N17130241: length 2.9
  BOTTOM w0.1: v2(80.6,60.3) 79.6,61.3 J19.33
N17130249: length 12.8
  BOTTOM w0.1: v2(86.4,79.5) 86.4,80.3 85.1,81.6 81.3,81.6 79.9,80.2 79.9,77.9 79.3,77.3 J19.1
N17159243: length 2.1
  TOP w0.2: R66.2 88.45,66.4 LD4.1
N17159780: length 2.7
  TOP w0.3: R67.2 87.26,63.35 LD5.1
N17163814: length 2
  TOP w0.1: RR3.12 60.59,82.48 60.41,82.66 v1(60.41,82.66)
  BOTTOM w0.1: v1(60.41,82.66) 60.39,82.65 RR2.4
N17163832: length 1.5
  TOP w0.1: RR3.11 61.09,82.34 v1(61,82.43)
  BOTTOM w0.1: v1(61,82.43) 60.89,82.32 RR2.3
N17163850: length 3.1
  TOP w0.1: v1(62.53,82.5) 62.28,82.5 61.59,81.81 RR3.10
  BOTTOM w0.1: RR2.2 61.39,82.29 61.54,82.44 62.47,82.44 v1(62.53,82.5)
N17179377: length 2.3
  TOP w0.25: U26.3 18.9,13.65 arc(18.72,12.75) J9.1
N17179423: length 3.2
  TOP w0.24: C202.2 C60.1 14.63,7.05 ANT1.2
N17179429: length 2.2
  TOP w0.24: C202.1 C201.1 R224.2
N17199581: length 4.6
  BOTTOM w0.2: R8.1 76.07,24.32 75.71,24.32 75.18,23.79 J2.28
N17199633: length 4.1
  BOTTOM w0.2: J2.30 74.58,23.95 R9.1
N17201498: length 3.8
  BOTTOM w0.2: R14.1 66.18,24.65 J2.46
N17201501: length 4.1
  BOTTOM w0.2: R15.1 65.58,24.13 J2.48
N17201615: length 3.9
  BOTTOM w0.1: J2.76 57.18,24.51 R17.1
N17201618: length 3.9
  BOTTOM w0.1: R19.1 56.58,24.63 J2.78
N17222181: length 4.3
  BOTTOM w0.2: U17.A6 77.13,41.62 77.38,41.87 R139.2
N17222186: length 6.8
  INT2 w0.2: v1(70.07,36.67) 69.85,36.89 v1(69.85,41.73)
  BOTTOM w0.2: R140.2 69.77,36.37 v1(70.07,36.67) ; U17.J5 69.72,41.6 v1(69.85,41.73)
N17293442: length 6.5
  TOP w0.3: TP1.1 53.21,14.15 51.68,15.69 51.08,15.69 v1(51.02,15.63)
  BOTTOM w0.3: J2.93 52.08,15.28 51.68,15.69 51.08,15.69 v1(51.02,15.63)
N17293451: length 3.5
  TOP w0.3: TP2.1 51.48,14.7 51.48,15.15 v1(51.49,15.16)
  BOTTOM w0.3: J2.95 51.48,15.15 v1(51.49,15.16)
N17293460: length 3.6
  TOP w0.3: v1(50.28,15.21) 50.28,14.7 TP3.1
  BOTTOM w0.3: J2.99 v1(50.28,15.21)
N17293469: length 3.4
  TOP w0.3: v1(49.68,15.21) 49.68,14.2 TP4.1
  BOTTOM w0.3: v1(49.68,15.21) J2.101
N17293478: length 3.4
  TOP w0.3: TP5.1 48.48,14.2 v1(48.48,15.21)
  BOTTOM w0.3: v1(48.48,15.21) J2.105
N17293487: length 3.7
  TOP w0.3: TP6.1 47.88,14.8 v1(47.88,15.21)
  BOTTOM w0.3: v1(47.88,15.21) J2.107
N17293833: length 3.8
  BOTTOM w0.3: R28.1 30.18,24.64 J2.166
N17297409: length 8.6
  BOTTOM w0.3: R237.1 28.91,87.56 29.63,88.27 R32.2 v2(32.22,88.27) 35.64,88.27 35.86,88.05 Q2.1
N17299945: length 73.2
  TOP w0.2: v1(83.88,62) 84.55,62 R31.1
  INT2 w0.1: v1(83.88,62) 84.17,62.3 84.17,64.83 80.11,68.89 80.11,72.43 77.04,75.5 54.13,75.5 53.08,74.45 38.15,74.45 34.73,77.87 v1(34.73,84.2)
  BOTTOM w0.1: v1(34.73,84.2) 34.7,84.2 34.66,84.16 Q3.3
  BOTTOM w0.3: Q2.2 35.91,85.13 v2(35.63,84.86) 35.47,84.7 34.28,84.7 33.93,84.35 Q3.3
